# Altium PCB FMC_SDR.PcbDoc (part 2 of 4) (continued)
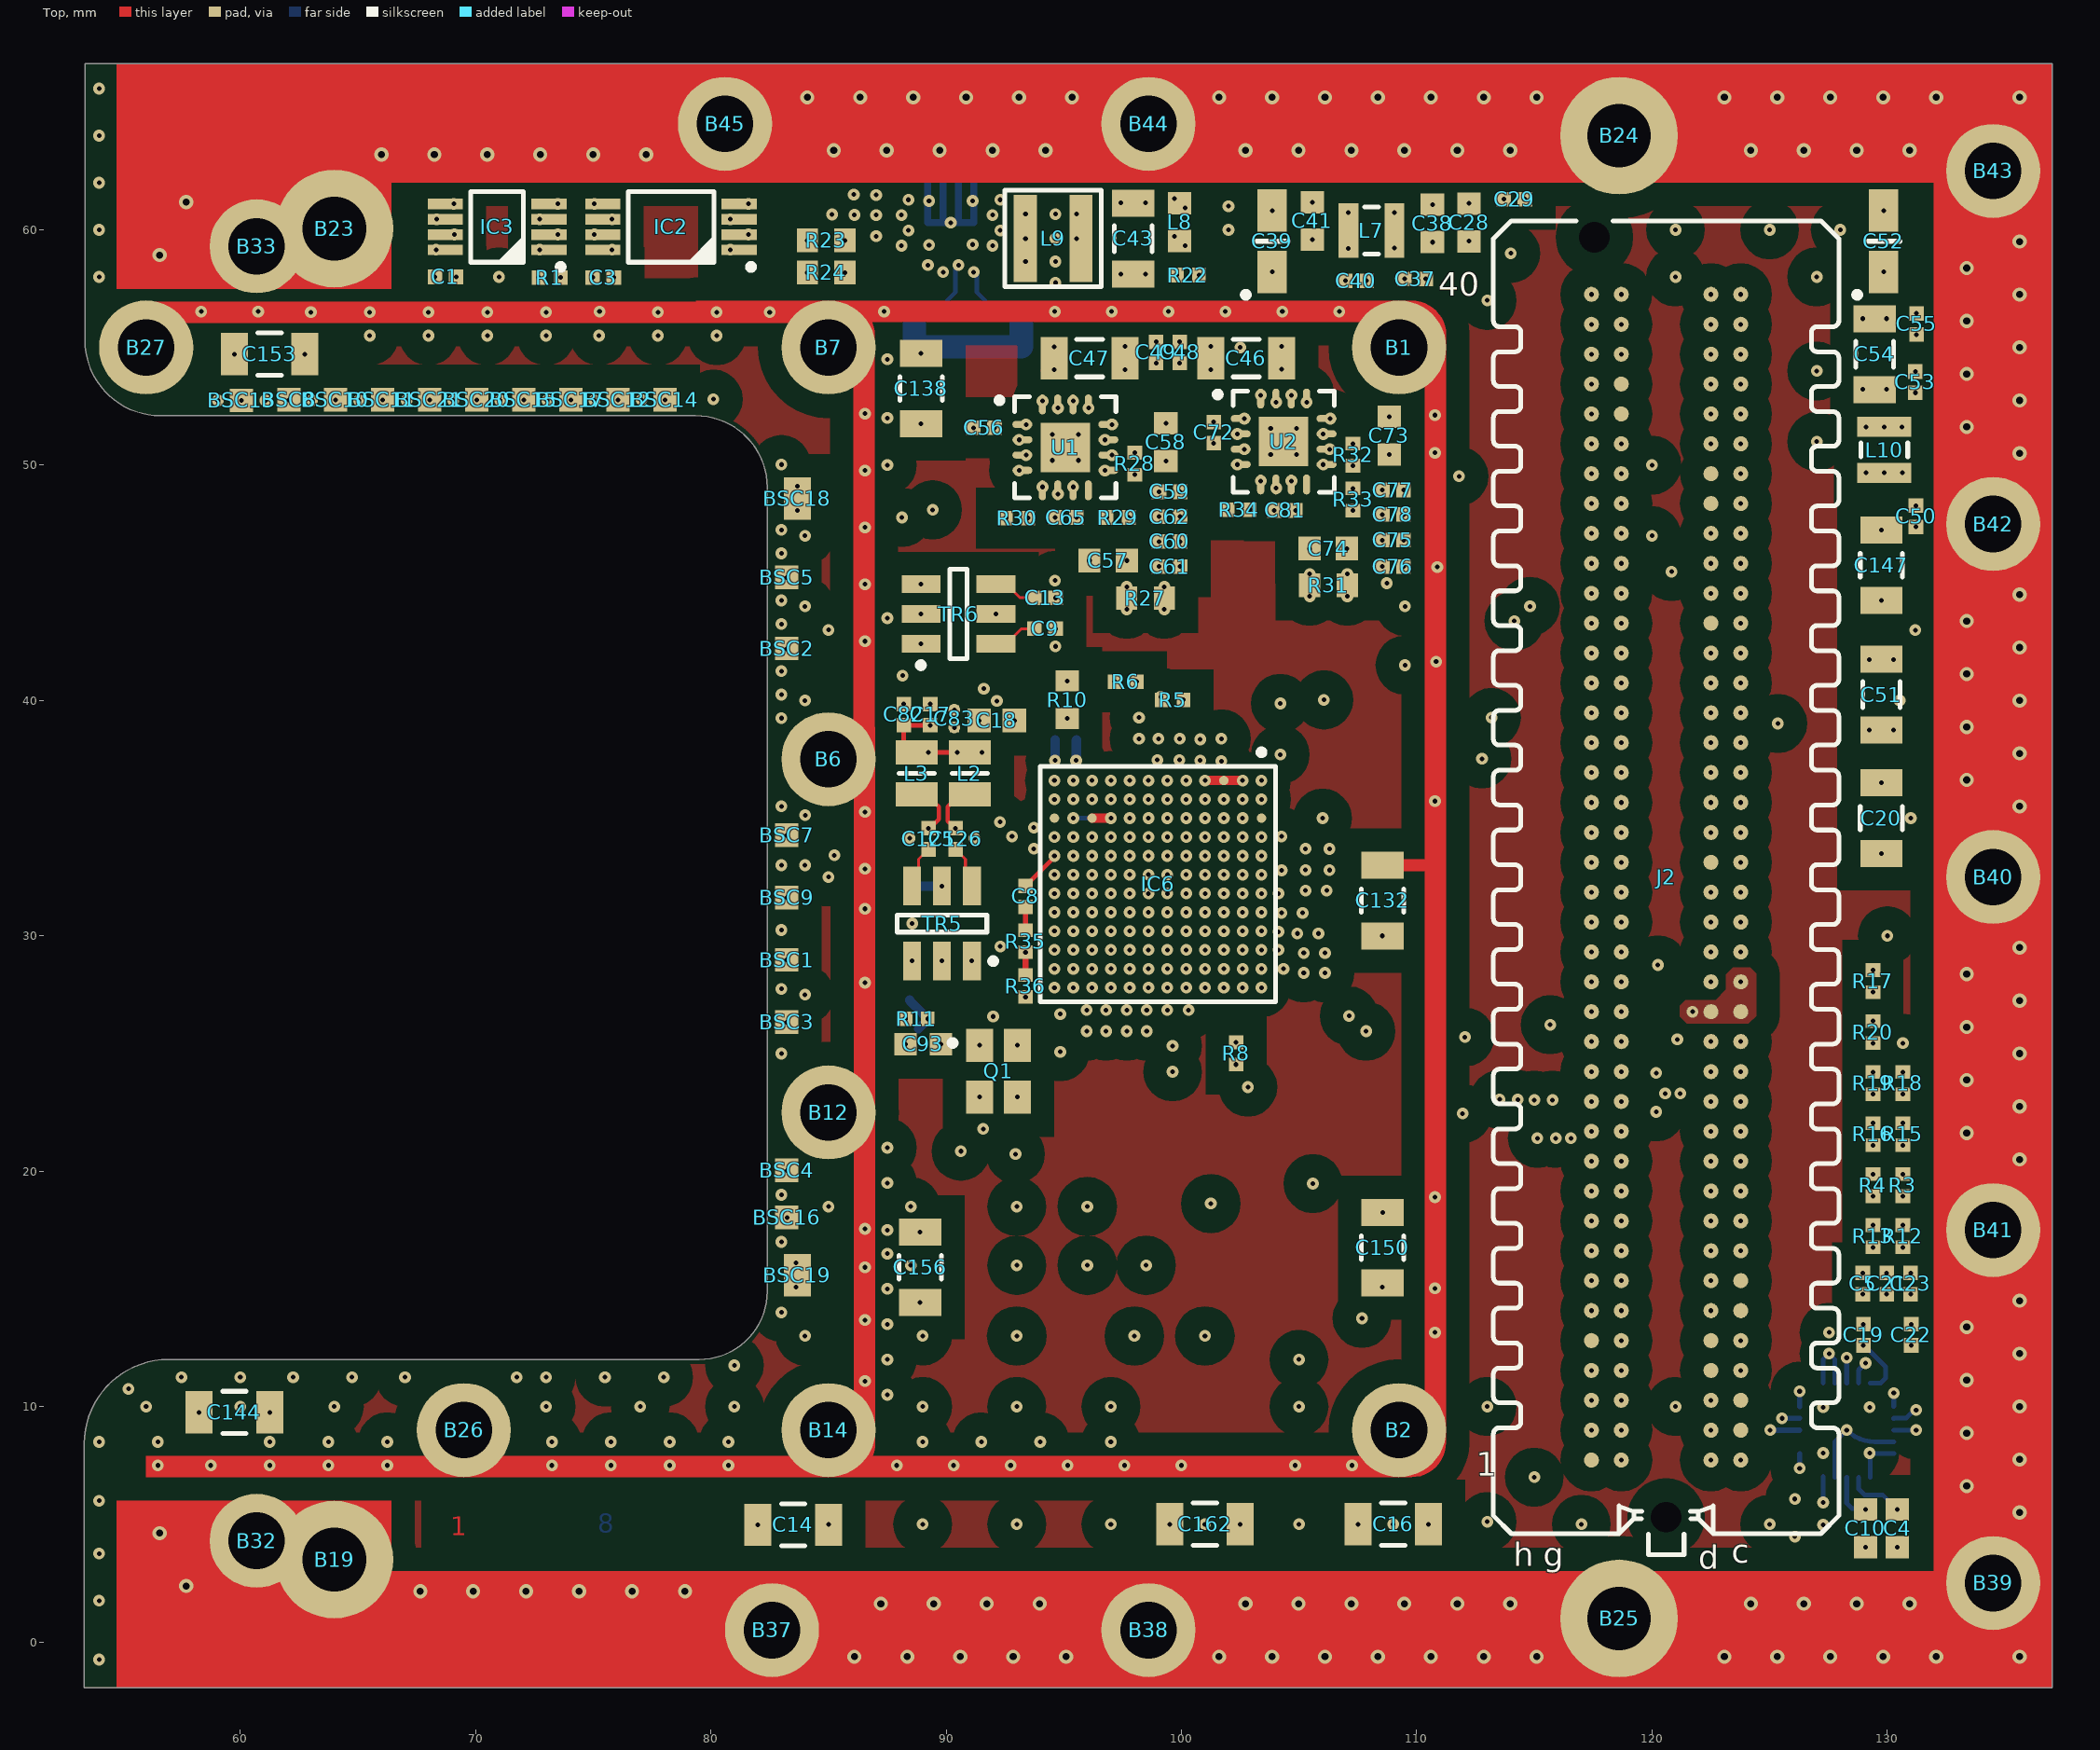
[diagram p0: Top view]
## Nets (pads, with @x,y where several pads share a name; then routed paths per layer and width w, separated by ;. In a path a pad name is that pad's centre, name@x,y a point inside that pad or via, vN(x,y) a via of type N, cw(c..) or ccw(c..) an arc to the next point about the centre after c; other vN are vias at no path point) (continued)
9364_RX_D1_N: IC6.K10 J2.g10 | length 65.9
  Int4 [high speed] w0.12: v2(96.203,29.4) 96.149,29.346 96.019,29.346 95.993,29.32 95.888,29.32 95.568,29 95.237,29 95.003,28.766 95.003,27.257 95.809,26.45 96.041,26.45 96.375,26.116 96.375,25.809 96.955,25.229 96.955,12.292 98.722,10.525 ccw(c98.835,10.638) 98.949,10.525 99.913,11.49 100.357,11.046 98.363,9.051 ccw(c98.476,8.938) 98.363,8.825 99.033,8.155 ccw(c99.146,8.268) 99.259,8.155 100.176,9.071 100.542,8.705 101.303,8.705 ccw(c101.303,8.865) 101.463,8.865 101.463,10.229 102.091,10.229 102.091,7.341 ccw(c102.251,7.341) 102.251,7.181 103.199,7.181 ccw(c103.199,7.341) 103.359,7.341 103.359,10.229 103.987,10.229 103.987,8.865 ccw(c104.147,8.865) 104.147,8.705 105.008,8.705 107.733,11.43 114.933,11.43 116.403,12.9 118.028,12.9 118.433,13.306 119.014,13.306 119.82,14.112 119.82,18.064 119.203,18.681 118.765,18.681 118.695,18.751 v3(118.695,19.156) v3@118.728,19.156
9364_RX_D1_P: IC6.J11 J2.g9 | length 65.9
  Int4 [high speed] w0.12: v2(97.003,28.6) 96.559,29.044 96.412,29.044 96.368,29 96.037,29 95.803,28.766 95.803,27.588 96.375,27.016 96.375,26.709 96.634,26.45 96.866,26.45 97.275,26.041 97.275,24 97.275,23.84 97.483,23.84 cw(c97.483,23.824) 97.499,23.824 97.499,23.536 cw(c97.483,23.536) 97.483,23.52 97.275,23.52 97.275,23.2 97.921,23.2 cw(c97.921,23.184) 97.937,23.184 97.937,22.896 cw(c97.921,22.896) 97.921,22.88 97.275,22.88 97.275,22.56 97.275,20.45 97.275,12.425 98.835,10.865 99.8,11.829 cw(c99.913,11.716) 100.026,11.829 100.697,11.159 cw(c100.583,11.046) 100.743,11.046 cw(c100.583,11.046) 100.697,10.932 98.702,8.938 99.146,8.494 100.063,9.411 cw(c100.176,9.298) 100.289,9.411 100.675,9.025 101.143,9.025 101.143,10.389 cw(c101.303,10.389) 101.303,10.549 102.251,10.549 cw(c102.251,10.389) 102.411,10.389 102.411,7.501 103.039,7.501 103.039,10.389 cw(c103.199,10.389) 103.199,10.549 104.147,10.549 cw(c104.147,10.389) 104.307,10.389 104.307,9.025 104.875,9.025 107.6,11.75 114.8,11.75 116.27,13.22 117.895,13.22 118.301,13.626 118.881,13.626 119.5,14.244 119.5,17.931 119.07,18.361 118.765,18.361 118.695,18.29 v3(118.695,17.886)
9364_RX_D2_N: IC6.K9 J2.h11 | length 66
  Int4 [high speed] w0.12: v2(96.203,30.2) 96.603,29.8 97.185,29.8 97.403,30.018 97.403,30.366 97.637,30.6 100.368,30.6 100.603,30.366 100.603,30.034 100.837,29.8 101.168,29.8 101.403,29.566 101.403,29.234 101.637,29 101.968,29 102.203,28.766 102.203,28.434 102.437,28.2 102.768,28.2 103.003,27.966 103.003,27.626 103.403,27.226 103.778,26.851 104.417,27.49 cw(c104.563,27.344) 104.709,27.49 105.308,26.892 cw(c105.161,26.746) 105.368,26.746 cw(c105.161,26.746) 105.308,26.599 103.311,24.602 103.749,24.164 106.191,26.605 cw(c106.337,26.459) 106.483,26.605 107.082,26.007 cw(c106.935,25.861) 107.142,25.861 cw(c106.935,25.861) 107.082,25.714 104.508,23.14 104.946,22.702 107.684,25.44 cw(c107.83,25.293) 107.976,25.44 108.575,24.842 cw(c108.428,24.695) 108.635,24.695 cw(c108.428,24.695) 108.575,24.549 105.837,21.811 106.275,21.373 109.11,24.207 cw(c109.256,24.061) 109.403,24.207 110.001,23.609 cw(c109.855,23.463) 110.062,23.463 cw(c109.855,23.463) 110.001,23.317 107.166,20.482 107.605,20.043 110.439,22.878 cw(c110.586,22.732) 110.732,22.878 111.33,22.28 cw(c111.184,22.134) 111.391,22.134 cw(c111.184,22.134) 111.33,21.987 109.986,20.643 110.68,19.949 111.257,19.949 cw(c111.257,19.742) 111.464,19.742 111.464,19.329 112.084,19.329 112.084,21.623 cw(c112.291,21.623) 112.291,21.83 113.137,21.83 cw(c113.137,21.623) 113.344,21.623 113.344,19.949 116.948,19.949 116.95,19.951 117.355,19.951 117.425,20.021 v3(117.425,20.426)
9364_RX_D2_P: IC6.J10 J2.h10 | length 65.9
  Int4 [high speed] w0.12: v2(97.003,29.4) 97.056,29.454 97.291,29.454 97.637,29.8 100.385,29.8 100.603,29.582 100.603,29.234 100.837,29 101.185,29 101.403,28.782 101.403,28.434 101.637,28.2 101.968,28.2 102.203,27.966 102.203,27.634 102.837,27 103.177,27 103.631,26.545 ccw(c103.778,26.691) 103.924,26.545 104.563,27.184 105.001,26.746 103.005,24.749 ccw(c103.151,24.602) 103.005,24.456 103.603,23.858 ccw(c103.749,24.004) 103.896,23.858 106.337,26.299 106.775,25.861 104.201,23.287 ccw(c104.348,23.14) 104.201,22.994 104.8,22.396 ccw(c104.946,22.542) 105.092,22.396 107.83,25.134 108.268,24.695 105.531,21.957 ccw(c105.677,21.811) 105.531,21.665 106.129,21.067 ccw(c106.275,21.213) 106.422,21.067 109.256,23.901 109.695,23.463 106.86,20.628 ccw(c107.006,20.482) 106.86,20.335 107.458,19.737 ccw(c107.605,19.884) 107.751,19.737 110.586,22.572 111.024,22.134 109.68,20.789 ccw(c109.826,20.643) 109.68,20.497 110.548,19.629 111.144,19.629 111.144,19.216 ccw(c111.351,19.216) 111.351,19.009 112.197,19.009 ccw(c112.197,19.216) 112.404,19.216 112.404,21.51 113.024,21.51 113.024,19.836 ccw(c113.231,19.836) 113.231,19.629 113.541,19.629 114.13,19.629 cw(c114.13,19.598) 114.161,19.598 114.161,18.816 ccw(c114.192,18.816) 114.192,18.785 114.75,18.785 ccw(c114.75,18.816) 114.781,18.816 114.781,19.598 cw(c114.812,19.598) 114.812,19.629 116.725,19.629 117.081,19.629 117.083,19.631 117.355,19.631 117.425,19.56 v3(117.425,19.156)
9364_RX_D3_N: IC6.K8 J2.d12 | length 64.8
  Int4 [high speed] w0.12: v2(96.203,31) 96.149,30.946 95.915,30.946 95.568,30.6 95.237,30.6 95.003,30.366 95.003,30.034 94.768,29.8 94.437,29.8 94.203,29.566 94.203,29.218 93.825,28.84 93.825,10.016 97.811,6.03 112.025,6.03 115.245,9.25 115.245,10.342 116.938,12.036 119.81,12.036 121.37,13.596 121.37,18.67 122.375,19.675 122.829,19.675 123.128,19.973 123.128,20.595 122.505,21.218 v3(122.505,21.696)
9364_RX_D3_P: IC6.J9 J2.d11 | length 64.8
  Int4 [high speed] w0.12: v2(97.003,30.2) 96.603,30.6 96.037,30.6 95.803,30.366 95.803,30.034 95.568,29.8 95.237,29.8 95.003,29.566 95.003,29.234 94.768,29 94.437,29 94.145,28.708 94.145,10.148 97.943,6.35 111.893,6.35 114.925,9.382 114.925,10.475 116.806,12.356 119.677,12.356 120.821,13.499 120.937,13.615 121.05,13.728 121.05,17.03 121.05,17.35 120.558,17.35 cw(c120.558,17.366) 120.542,17.366 120.542,17.654 cw(c120.558,17.654) 120.558,17.67 121.05,17.67 121.05,17.99 120.558,17.99 cw(c120.558,18.006) 120.542,18.006 120.542,18.294 cw(c120.558,18.294) 120.558,18.31 121.05,18.31 121.05,18.63 121.05,18.79 121.05,18.803 122.242,19.995 122.697,19.995 122.808,20.106 122.808,20.22 122.601,20.426 v3(122.505,20.426)
9364_RX_D4_N: IC6.K7 J2.c11 | length 64.6
  Int3 [high speed] w0.12: v6(121.202,23.3) 121.202,23.2 121.042,23.04 121.042,20.377 121.468,19.951 123.705,19.951 123.775,20.021 v3(123.775,20.426)
  Int4 [high speed] w0.12: v2(96.203,31.8) 95.803,32.2 95.803,32.766 96.037,33 96.385,33 96.603,33.218 96.603,33.566 96.837,33.8 97.168,33.8 97.403,34.034 97.403,34.366 97.637,34.6 97.968,34.6 98.203,34.834 98.203,35.166 98.437,35.4 102.97,35.4 103.175,35.195 105.559,35.195 105.814,35.45 106.186,35.45 106.441,35.195 120.555,35.195 121.85,33.9 124.553,33.9 124.995,33.458 124.995,32.755 124.546,32.306 121.783,32.306 121.595,32.117 121.595,31.583 121.772,31.406 124.569,31.406 125.093,30.882 125.093,30.342 124.567,29.816 121.323,29.816 121.02,29.513 121.02,29.062 121.267,28.816 124.4,28.816 124.645,28.571 124.645,27.473 124.222,27.05 123.413,27.05 121.845,25.482 121.845,24.817 121.042,24.015 121.042,23.56 121.202,23.4 v6(121.202,23.3)
9364_RX_D4_P: IC6.J8 J2.c10 | length 64.6
  Int3 [high speed] w0.12: v6(120.562,23.3) 120.562,23.2 120.722,23.04 120.722,20.244 121.336,19.631 123.705,19.631 123.775,19.56 v3(123.775,19.156)
  Int4 [high speed] w0.12: v2(97.003,31) 96.603,31.4 96.603,32.766 96.837,33 97.168,33 97.403,33.234 97.403,33.566 97.637,33.8 97.968,33.8 98.203,34.034 98.203,34.366 98.437,34.6 102.9,34.6 103.175,34.875 105.55,34.875 105.55,34.814 105.814,34.55 106.186,34.55 106.45,34.814 106.45,34.875 107.175,34.875 108.05,34.875 108.37,34.875 108.37,34.672 ccw(c108.386,34.672) 108.386,34.656 108.674,34.656 ccw(c108.674,34.672) 108.69,34.672 108.69,34.875 108.85,34.875 120.422,34.875 121.717,33.58 124.42,33.58 124.675,33.325 124.675,32.887 124.413,32.626 121.651,32.626 121.275,32.25 121.275,31.45 121.639,31.086 124.437,31.086 124.773,30.749 124.773,30.475 124.434,30.136 121.136,30.136 120.7,29.7 120.7,28.93 121.134,28.496 124.138,28.496 124.325,28.308 124.325,27.606 124.098,27.379 123.289,27.379 121.525,25.615 121.525,24.95 120.722,24.147 120.722,23.56 120.562,23.4 v6(120.562,23.3)
9364_RX_D5_N: IC6.J7 J2.h14 | length 64.4
  Int4 [high speed] w0.12: v2(97.003,31.8) 97.403,32.2 97.977,32.2 98.203,32.426 98.203,32.766 98.437,33 98.777,33 99.003,33.226 99.003,33.566 99.237,33.8 103.688,33.8 103.803,33.685 104.805,33.685 104.875,33.755 104.875,33.866 105.109,34.1 105.441,34.1 105.654,33.887 105.919,33.887 106.125,34.093 106.457,34.093 106.691,33.858 107.102,33.858 107.514,34.27 112.505,34.27 112.829,33.946 120.207,33.946 120.695,33.458 120.695,32.842 120.208,32.356 111.992,32.356 111.422,32.925 107.875,32.925 107.62,32.67 107.62,32.055 107.905,31.77 116.633,31.77 117.028,31.375 119.3,31.375 119.803,30.872 119.803,29.431 119.8,29.428 119.8,28.062 119.014,27.276 118.728,27.276 118.726,27.274 118.557,27.274 118.245,26.962 118.245,26.507 117.744,26.006 116.776,26.006 116.145,25.375 116.145,24.28 116.664,23.761 117.355,23.761 117.425,23.831 v3(117.425,24.236)
9364_RX_D5_P: IC6.H8 J2.h13 | length 64.5
  Int4 [high speed] w0.12: v2(97.803,31) 98.203,31.4 98.203,31.974 98.429,32.2 98.768,32.2 99.003,32.434 99.003,32.774 99.229,33 103.568,33 103.803,33.234 103.803,33.295 103.873,33.365 104.875,33.365 104.947,33.293 106.457,33.293 106.702,33.538 107.235,33.538 107.646,33.95 112.372,33.95 112.696,33.626 120.074,33.626 120.375,33.325 120.375,32.975 120.076,32.676 112.124,32.676 111.555,33.245 107.742,33.245 107.3,32.803 107.3,31.922 107.772,31.45 116.5,31.45 116.895,31.055 119.167,31.055 119.483,30.74 119.483,29.563 119.48,29.561 119.48,28.194 118.881,27.596 118.426,27.596 117.925,27.095 117.925,26.639 117.611,26.326 116.643,26.326 115.825,25.508 115.825,25.348 115.825,25.028 115.333,25.028 ccw(c115.333,25.012) 115.317,25.012 115.317,24.724 ccw(c115.333,24.724) 115.333,24.708 115.825,24.708 115.825,24.388 115.825,24.147 115.919,24.054 116.532,23.441 117.355,23.441 117.425,23.37 v3(117.425,22.966)
9364_RX_FRAME_N: IC6.G7 J2.d9 | length 66.1
  Int4 [high speed] w0.12: v2(98.603,31.8) 98.656,31.854 98.891,31.854 99.237,32.2 102.768,32.2 103.003,31.966 103.003,31.634 103.237,31.4 103.825,31.4 103.85,31.375 105.41,31.375 105.625,31.16 107.068,31.16 107.745,30.483 107.745,27.33 107.867,27.208 108.133,27.208 111.72,30.795 112.308,30.795 112.72,30.383 112.72,29.842 109.775,26.897 109.775,26.725 110.2,26.3 110.397,26.3 114.817,30.72 115.683,30.72 116.52,29.883 116.52,29.117 113.92,26.517 113.92,24.967 113.403,24.45 113.225,24.45 112.85,24.075 112.85,22.95 113.412,22.388 114.124,22.388 114.625,21.886 114.625,21.175 115.07,20.729 116.64,20.729 117.106,21.196 117.744,21.196 117.878,21.062 117.888,21.062 118.245,20.705 118.245,20.239 118.559,19.926 120.098,19.926 121.33,21.158 121.33,21.63 122.216,22.516 124.209,22.516 124.75,21.975 124.75,21.125 124.75,20.965 124.969,20.965 cw(c124.969,20.949) 124.985,20.949 124.985,20.661 cw(c124.969,20.661) 124.969,20.645 124.75,20.645 124.75,19.075 124.75,18.9 124.236,18.386 122.211,18.386 122.063,18.238 122.063,17.683 122.133,17.613 122.232,17.613 v3(122.505,17.886) v3@122.421,17.886
9364_RX_FRAME_P: IC6.G8 J2.d8 | length 66
  Int4 [high speed] w0.12: v2(98.603,31) 99.003,31.4 102.785,31.4 103.003,31.182 103.003,30.834 103.237,30.6 103.875,30.6 103.9,30.575 105.36,30.575 105.625,30.84 106.935,30.84 107.425,30.35 107.425,27.197 107.735,26.888 108.265,26.888 111.853,30.475 112.175,30.475 112.4,30.25 112.4,29.975 109.455,27.03 109.455,26.592 110.067,25.98 110.53,25.98 114.95,30.4 115.55,30.4 116.2,29.75 116.2,29.25 113.6,26.65 113.6,25.1 113.27,24.77 113.092,24.77 112.53,24.208 112.53,22.817 113.279,22.068 113.991,22.068 114.305,21.754 114.305,21.042 114.938,20.409 116.772,20.409 117.239,20.876 117.611,20.876 117.745,20.742 117.756,20.742 117.925,20.572 117.925,20.107 118.426,19.606 120.231,19.606 121.65,21.025 121.65,21.497 122.348,22.196 124.077,22.196 124.43,21.842 124.43,19.033 124.103,18.706 122.078,18.706 121.743,18.37 121.743,17.551 121.958,17.335 122.203,17.091 122.435,17.091 122.505,17.02 v3(122.505,16.616)
9364_SPI_CLK: IC6.J5 R2.1 | length 7.4
  Int3 [high speed] w0.12: v2(97.003,33.4) 97.403,33.8 97.968,33.8 98.203,34.034 98.203,34.366 98.437,34.6 98.768,34.6 99.003,34.834 99.003,35.166 99.237,35.4 99.568,35.4 99.803,35.634 99.803,35.966 100.037,36.2 101.168,36.2 101.7,36.732 v5(101.7,37.425)
9364_SPI_DI: IC6.J4 J2.c26 | length 52.1
  Int4 [high speed] w0.12: v2(97.003,34.2) 97.056,34.254 97.056,34.488 97.403,34.834 97.403,35.966 97.637,36.2 103.9,36.2 103.925,36.2
  Int4 [high speed] w0.15: 103.925,36.2 104.375,36.2 104.712,36.2 ccw(c104.712,36.238) 104.75,36.238 104.75,38.666 cw(c104.787,38.666) 104.787,38.703 105.462,38.703 cw(c105.462,38.666) 105.5,38.666 105.5,36.2 105.5,35.967 ccw(c105.537,35.967) 105.537,35.93 106.212,35.93 ccw(c106.212,35.967) 106.25,35.967 106.25,36.2 106.25,38.666 cw(c106.287,38.666) 106.287,38.703 106.962,38.703 cw(c106.962,38.666) 107,38.666 107,36.2 107,35.712 ccw(c107.037,35.712) 107.037,35.675 107.712,35.675 ccw(c107.712,35.712) 107.75,35.712 107.75,36.2 107.75,38.666 cw(c107.787,38.666) 107.787,38.703 108.462,38.703 cw(c108.462,38.666) 108.5,38.666 108.5,36.2 108.5,35.712 ccw(c108.537,35.712) 108.537,35.675 109.212,35.675 ccw(c109.212,35.712) 109.25,35.712 109.25,36.2 109.25,38.666 cw(c109.287,38.666) 109.287,38.703 109.962,38.703 cw(c109.962,38.666) 110,38.666 110,36.238 ccw(c110.037,36.238) 110.037,36.2 112.425,36.2 115.925,36.2 117.175,37.45 120.125,37.45 120.7,38.025 121.375,38.025 122.2,38.85 123.149,38.85 123.651,39.352 123.748,39.352 v3@123.75,39.35
  other v3: 123.775,39.476
9364_SPI_DO: IC6.L6 J2.c27 | length 52.1
  Int4 [high speed] w0.12: v2(95.403,32.6) 95.456,32.654 95.456,32.888 95.803,33.234 95.803,35.394 95.733,35.465 95.633,35.465 95.568,35.4 95.237,35.4 95.003,35.634 95.003,36.766 95.287,37.05 95.691,37.05 96.525,37.884 96.525,41.375
  Int4 [high speed] w0.15: 96.525,41.375 97.555,42.405 104.85,42.405 106.363,42.405 cw(c106.363,42.368) 106.4,42.368 106.4,40.54 ccw(c106.438,40.54) 106.438,40.503 107.113,40.503 ccw(c107.113,40.54) 107.15,40.54 107.15,42.405 107.15,43.183 cw(c107.188,43.183) 107.188,43.22 107.863,43.22 cw(c107.863,43.183) 107.9,43.183 107.9,42.405 107.9,39.928 ccw(c107.938,39.928) 107.938,39.89 108.613,39.89 ccw(c108.613,39.928) 108.65,39.928 108.65,42.368 cw(c108.688,42.368) 108.688,42.405 109.025,42.405 109.175,42.405 109.253,42.405 113.917,37.741 118.888,37.741 120.6,39.453 120.6,39.498 122.312,41.211 123.31,41.211 123.75,40.771 v3@123.75,40.75
  other v3: 123.775,40.746
9364_SPI_ENB: IC6.K6 J2.d26 R5.2 | length 52.9
  Int3 [high speed] w0.12: v3(92.8,34.225) 92.8,33.601 93.401,33 95.803,33 v2(96.203,32.6)
  Int3 [high speed] w0.15: v3(92.154,39.977) 95.948,39.977 96.365,39.56 97.863,39.56 98.018,39.715 98.382,39.715 98.537,39.56 99.563,39.56 100.028,40.025 v1(100.075,40.025) 100.9,40.025 104.985,44.11 104.985,44.618 105.277,44.91 105.785,44.91 106.775,45.9 108.089,45.9 108.349,46.16 111.048,46.16 112.508,44.7 116.482,44.7 117.282,43.9 124.2,43.9 124.775,43.325 124.775,40.775 124,40 123.555,40 123.055,39.5 122.575,39.5 v3@122.525,39.45
  Int4 [high speed] w0.15: v3(92.154,39.977) 92.154,39.569 92.23,39.494 92.23,38.952 92.8,38.382 v3(92.8,34.225)
  other v3: 122.505,39.476
9364_SYNC_IN: IC6.H5 J2.c22 J2.h23 R8.2 | length 50
  Int1 [signals] w0.12: v2(97.803,33.4) 97.749,33.346 97.616,33.346 97.269,33 96.837,33 96.603,32.766 96.603,27.634 97.2,27.037 97.2,26.759 97.559,26.4 100.788,26.4
  Int1 [signals] w0.15: 100.788,26.4 101.183,26.4 101.823,25.76 105.55,25.76 107.145,27.355 108.9,27.355 109.93,26.325 112.075,26.325 114.261,28.511 119.361,28.511 119.725,28.875 119.725,31.655 121.52,33.45 122.829,33.45 v3(123.775,34.396)
  Int4 [high speed] w0.15: v3(117.425,35.666) 118.034,36.275 124.052,36.275 124.525,35.802 124.525,35.146 v3(123.775,34.396)
  other v1: 102.325,25.475
9364_TX_D0_N: IC6.E12 J2.h17 | length 62.1
  Int3 [high speed] w0.12: v2(100.203,27.8) 100.603,27.4 101.177,27.4 101.38,27.197 101.502,27.074 101.502,25.659 101.023,25.659 ccw(c101.023,25.451) 100.816,25.451 100.816,24.598 ccw(c101.023,24.598) 101.023,24.391 101.502,24.391 101.502,23.054 102.677,21.88 ccw(c102.823,22.026) 102.97,21.88 104.26,23.17 104.704,22.726 103.414,21.436 ccw(c103.561,21.289) 103.414,21.142 104.176,20.38 104.776,20.38 104.776,20.132 ccw(c104.984,20.132) 104.984,19.925 105.837,19.925 ccw(c105.837,20.132) 106.044,20.132 106.044,22.412 106.672,22.412 106.672,19.393 ccw(c106.88,19.393) 106.88,19.185 107.733,19.185 ccw(c107.733,19.393) 107.94,19.393 107.94,22.412 108.568,22.412 108.568,18.87 ccw(c108.776,18.87) 108.776,18.662 109.629,18.662 ccw(c109.629,18.87) 109.836,18.87 109.836,21.136 110.464,21.136 110.464,19.557 ccw(c110.672,19.557) 110.672,19.35 111.525,19.35 ccw(c111.525,19.557) 111.732,19.557 111.732,21.68 112.36,21.68 112.36,19.567 112.548,19.38 113.768,19.38 114.025,19.638 114.025,21.57 114.305,21.85 115.828,21.85 116.632,22.655 116.632,23.639 116.101,24.17 115.241,24.17 114.489,23.418 114.489,23.308 114.297,23.116 v6(114.297,23.047) 114.227,23.118 v6@114.295,23.186
  Int4 [high speed] w0.12: v6(114.297,23.047) 114.297,23.116 114.489,23.308 114.489,26.166 115.48,27.158 116.575,27.158 116.988,27.571 117.355,27.571 117.425,27.641 v1(117.425,28.046)
9364_TX_D0_P: IC6.D11 J2.h16 | length 61.9
  Int3 [high speed] w0.12: v2(101.003,28.6) 101.403,28.2 101.403,27.626 101.7,27.329 101.822,27.207 101.822,25.546 cw(c101.615,25.546) 101.615,25.339 101.136,25.339 101.136,24.711 101.615,24.711 cw(c101.615,24.503) 101.822,24.503 101.822,23.187 102.823,22.185 104.113,23.476 cw(c104.26,23.329) 104.407,23.476 105.01,22.872 cw(c104.863,22.726) 105.071,22.726 cw(c104.863,22.726) 105.01,22.579 103.72,21.289 104.309,20.7 104.889,20.7 cw(c104.889,20.493) 105.096,20.493 105.096,20.245 105.724,20.245 105.724,20.614 ccw(c105.703,20.614) 105.703,20.635 105.643,20.635 cw(c105.643,20.656) 105.622,20.656 105.622,21.034 cw(c105.643,21.034) 105.643,21.055 105.703,21.055 ccw(c105.703,21.076) 105.724,21.076 105.724,21.454 ccw(c105.703,21.454) 105.703,21.475 105.643,21.475 cw(c105.643,21.496) 105.622,21.496 105.622,21.874 cw(c105.643,21.874) 105.643,21.895 105.703,21.895 ccw(c105.703,21.916) 105.724,21.916 105.724,22.315 105.724,22.525 cw(c105.932,22.525) 105.932,22.732 106.785,22.732 cw(c106.785,22.525) 106.992,22.525 106.992,19.505 107.62,19.505 107.62,22.525 cw(c107.828,22.525) 107.828,22.732 108.681,22.732 cw(c108.681,22.525) 108.888,22.525 108.888,18.982 109.516,18.982 109.516,21.248 cw(c109.724,21.248) 109.724,21.456 110.577,21.456 cw(c110.577,21.248) 110.784,21.248 110.784,19.67 111.412,19.67 111.412,21.793 cw(c111.62,21.793) 111.62,22 112.473,22 cw(c112.473,21.793) 112.68,21.793 112.68,19.7 113.635,19.7 113.705,19.77 113.705,19.959 ccw(c113.684,19.959) 113.684,19.98 113.218,19.98 cw(c113.218,20.001) 113.197,20.001 113.197,20.379 cw(c113.218,20.379) 113.218,20.4 113.684,20.4 ccw(c113.684,20.421) 113.705,20.421 113.705,20.799 ccw(c113.684,20.799) 113.684,20.82 113.218,20.82 cw(c113.218,20.841) 113.197,20.841 113.197,21.219 cw(c113.218,21.219) 113.218,21.24 113.684,21.24 ccw(c113.684,21.261) 113.705,21.261 113.705,21.55 113.705,21.703 114.172,22.17 115.695,22.17 116.312,22.787 116.312,23.506 115.969,23.85 115.373,23.85 114.809,23.285 115,23.094 v6(115,23.025)
  Int4 [high speed] w0.12: v6(115,23.025) 115,23.094 114.809,23.285 114.809,26.034 115.613,26.838 116.707,26.838 117.12,27.251 117.355,27.251 117.425,27.18 v1(117.425,26.776)
9364_TX_D1_N: IC6.E11 J2.g16 | length 61
  Int3 [high speed] w0.12: 99.544,20.158 99.314,20.158 cw(c99.314,20.365) 99.107,20.365 99.107,21.218 cw(c99.314,21.218) 99.314,21.425 100.769,21.425 100.769,22.053 99.751,22.053 cw(c99.751,22.261) 99.544,22.261 ; 99.544,20.158 99.544,19.05 101.259,17.335 102.919,17.335 ccw(c102.919,17.543) 103.127,17.543 103.127,18.605 103.755,18.605 103.755,17.543 ccw(c103.962,17.543) 103.962,17.335 104.815,17.335 ccw(c104.815,17.543) 105.023,17.543 105.023,18.605 105.651,18.605 105.651,17.543 ccw(c105.858,17.543) 105.858,17.335 106.711,17.335 ccw(c106.711,17.543) 106.919,17.543 106.919,18.605 107.547,18.605 107.547,17.543 ccw(c107.754,17.543) 107.754,17.335 109.443,17.335 109.443,16.592 ccw(c109.65,16.592) 109.65,16.385 110.503,16.385 ccw(c110.503,16.592) 110.711,16.592 110.711,18.13 111.339,18.13 111.339,16.592 ccw(c111.546,16.592) 111.546,16.385 112.399,16.385 ccw(c112.399,16.592) 112.607,16.592 112.607,18.605 113.235,18.605 113.235,17.543 ccw(c113.442,17.543) 113.442,17.335 114.006,17.335 ccw(c114.006,17.527) 114.198,17.527 114.198,18.143 114.518,18.143 114.518,17.527 ccw(c114.71,17.527) 114.71,17.335 116.628,17.335 116.87,17.577 116.87,20.98 116.55,21.3 v6(116.55,21.4) ; 99.544,22.261 99.544,22.841 98.655,23.73 98.655,25.514 98.925,25.784 98.925,26.443 99.034,26.551 99.034,26.651 99,26.684 99,27.324 99.003,27.326 99.003,27.966 99.237,28.2 99.585,28.2 99.905,28.52 99.993,28.52 100.019,28.546 100.149,28.546 v2(100.203,28.6)
  Int4 [high speed] w0.12: v6(116.55,21.4) 116.55,21.5 116.39,21.66 116.39,21.876 116.709,22.196 119.308,22.196 119.675,22.563 119.675,25.623 118.997,26.301 118.765,26.301 118.695,26.371 v1(118.695,26.776)
9364_TX_D1_P: IC6.D10 J2.g15 | length 60.9
  Int3 [high speed] w0.12: v2(101.003,29.4) 100.559,28.956 100.559,28.81 100.603,28.766 100.603,28.434 100.368,28.2 100.037,28.2 99.803,27.966 99.803,26.687 99.566,26.45 99.385,26.45 99.245,26.31 99.245,25.652 98.975,25.382 98.975,23.862 99.864,22.974 99.864,22.373 100.882,22.373 cw(c100.882,22.166) 101.089,22.166 101.089,21.313 cw(c100.882,21.313) 100.882,21.106 99.427,21.106 99.427,20.478 99.656,20.478 cw(c99.656,20.27) 99.864,20.27 99.864,19.183 100.05,18.996 100.163,18.883 100.321,19.041 cw(c100.332,19.03) 100.343,19.041 100.547,18.837 cw(c100.536,18.826) 100.547,18.815 100.389,18.657 101.391,17.655 102.807,17.655 102.807,18.718 cw(c103.014,18.718) 103.014,18.925 103.867,18.925 cw(c103.867,18.718) 104.075,18.718 104.075,17.655 104.703,17.655 104.703,18.718 cw(c104.91,18.718) 104.91,18.925 105.763,18.925 cw(c105.763,18.718) 105.971,18.718 105.971,17.655 106.599,17.655 106.599,18.718 cw(c106.806,18.718) 106.806,18.925 107.659,18.925 cw(c107.659,18.718) 107.867,18.718 107.867,17.655 109.555,17.655 cw(c109.555,17.448) 109.763,17.448 109.763,16.705 110.391,16.705 110.391,18.243 cw(c110.598,18.243) 110.598,18.45 111.451,18.45 cw(c111.451,18.243) 111.659,18.243 111.659,16.705 112.287,16.705 112.287,18.718 cw(c112.494,18.718) 112.494,18.925 113.347,18.925 cw(c113.347,18.718) 113.555,18.718 113.555,17.655 113.878,17.655 113.878,18.271 cw(c114.07,18.271) 114.07,18.463 114.646,18.463 cw(c114.646,18.271) 114.838,18.271 114.838,17.655 116.496,17.655 116.55,17.709 116.55,20.76 v6(115.91,21.4)
  Int4 [high speed] w0.12: v6(115.91,21.4) 115.91,21.5 116.07,21.66 116.07,22.009 116.577,22.516 119.175,22.516 119.355,22.696 119.355,25.49 118.865,25.981 118.765,25.981 118.695,25.91 v1(118.695,25.506)
9364_TX_D2_N: IC6.E10 J2.d18 | length 60.7
  Int3 [high speed] w0.12: v2(100.203,29.4) 100.149,29.454 100.019,29.454 99.993,29.48 99.888,29.48 99.568,29.8 99.237,29.8 99.003,30.034 99.003,30.366 98.768,30.6 98.437,30.6 98.203,30.834 98.203,32.766 98.437,33 98.768,33 99.003,33.234 99.003,33.566 99.237,33.8 99.568,33.8 99.803,34.034 99.803,34.366 100.037,34.6 100.377,34.6 100.603,34.826 100.603,35.166 100.837,35.4 101.168,35.4 101.403,35.634 101.403,35.966 102.471,37.034 102.734,37.034 102.757,37.056 102.757,39.753 ; 102.75,39.753 104.047,41.05 105.624,41.05 105.629,41.055 106.482,41.055 106.487,41.05 109.314,41.05 109.686,41.05 109.691,41.055 116.479,41.055 117.239,40.296 119.282,40.296 120.489,39.088 120.489,38.488 121.848,38.488 cw(c121.848,38.281) 122.055,38.281 122.055,37.428 cw(c121.848,37.428) 121.848,37.22 119.465,37.22 119.465,36.592 121.848,36.592 cw(c121.848,36.385) 122.055,36.385 122.055,35.532 cw(c121.848,35.532) 121.848,35.324 119.437,35.324 119.437,34.696 121.848,34.696 cw(c121.848,34.489) 122.055,34.489 122.055,33.636 cw(c121.848,33.636) 121.848,33.428 119.465,33.428 119.465,32.8 120.282,32.8 cw(c120.282,32.593) 120.489,32.593 120.489,29.813 121.462,28.841 122.435,28.841 122.505,28.911 v1(122.505,29.316)
9364_TX_D2_P: IC6.D9 J2.d17 | length 61.2
  Int3 [high speed] w0.12: v2(101.003,30.2) 100.559,29.756 100.412,29.756 100.368,29.8 100.037,29.8 99.803,30.034 99.803,30.366 99.568,30.6 99.237,30.6 99.003,30.834 99.003,32.766 99.237,33 99.568,33 99.803,33.234 99.803,33.566 100.037,33.8 100.368,33.8 100.603,34.034 100.603,34.374 100.829,34.6 101.168,34.6 101.403,34.834 101.403,35.166 101.637,35.4 101.968,35.4 102.203,35.634 102.203,35.966 102.437,36.2 102.768,36.2 103.003,36.434 103.003,36.85 103.077,36.924 103.077,39.627 104.18,40.73 105.757,40.73 105.762,40.735 106.35,40.735 106.355,40.73 109.446,40.73 109.819,40.73 109.824,40.735 110.55,40.735 111.124,40.735 111.124,40.582 ccw(c111.14,40.582) 111.14,40.566 111.428,40.566 ccw(c111.428,40.582) 111.444,40.582 111.444,40.735 111.764,40.735 111.764,40.582 ccw(c111.78,40.582) 111.78,40.566 112.068,40.566 ccw(c112.068,40.582) 112.084,40.582 112.084,40.735 112.244,40.735 113.394,40.735 116.347,40.735 117.106,39.976 119.149,39.976 120.169,38.956 120.169,38.376 ccw(c120.376,38.376) 120.376,38.168 121.735,38.168 121.735,37.54 119.352,37.54 ccw(c119.352,37.333) 119.145,37.333 119.145,36.48 ccw(c119.352,36.48) 119.352,36.272 121.735,36.272 121.735,35.644 119.325,35.644 ccw(c119.325,35.437) 119.117,35.437 119.117,34.584 ccw(c119.325,34.584) 119.325,34.376 121.735,34.376 121.735,33.748 119.352,33.748 ccw(c119.352,33.541) 119.145,33.541 119.145,32.688 ccw(c119.352,32.688) 119.352,32.48 120.169,32.48 120.169,31.68 ; 120.169,29.675 120.169,29.681 ; 120.169,31.175 120.169,31.68 ; v1(122.505,28.046) 122.505,28.45 122.435,28.521 121.329,28.521 120.169,29.681 ; 120.169,29.681 120.169,31.68